# KiCad board C68.kicad_pcb (continued)
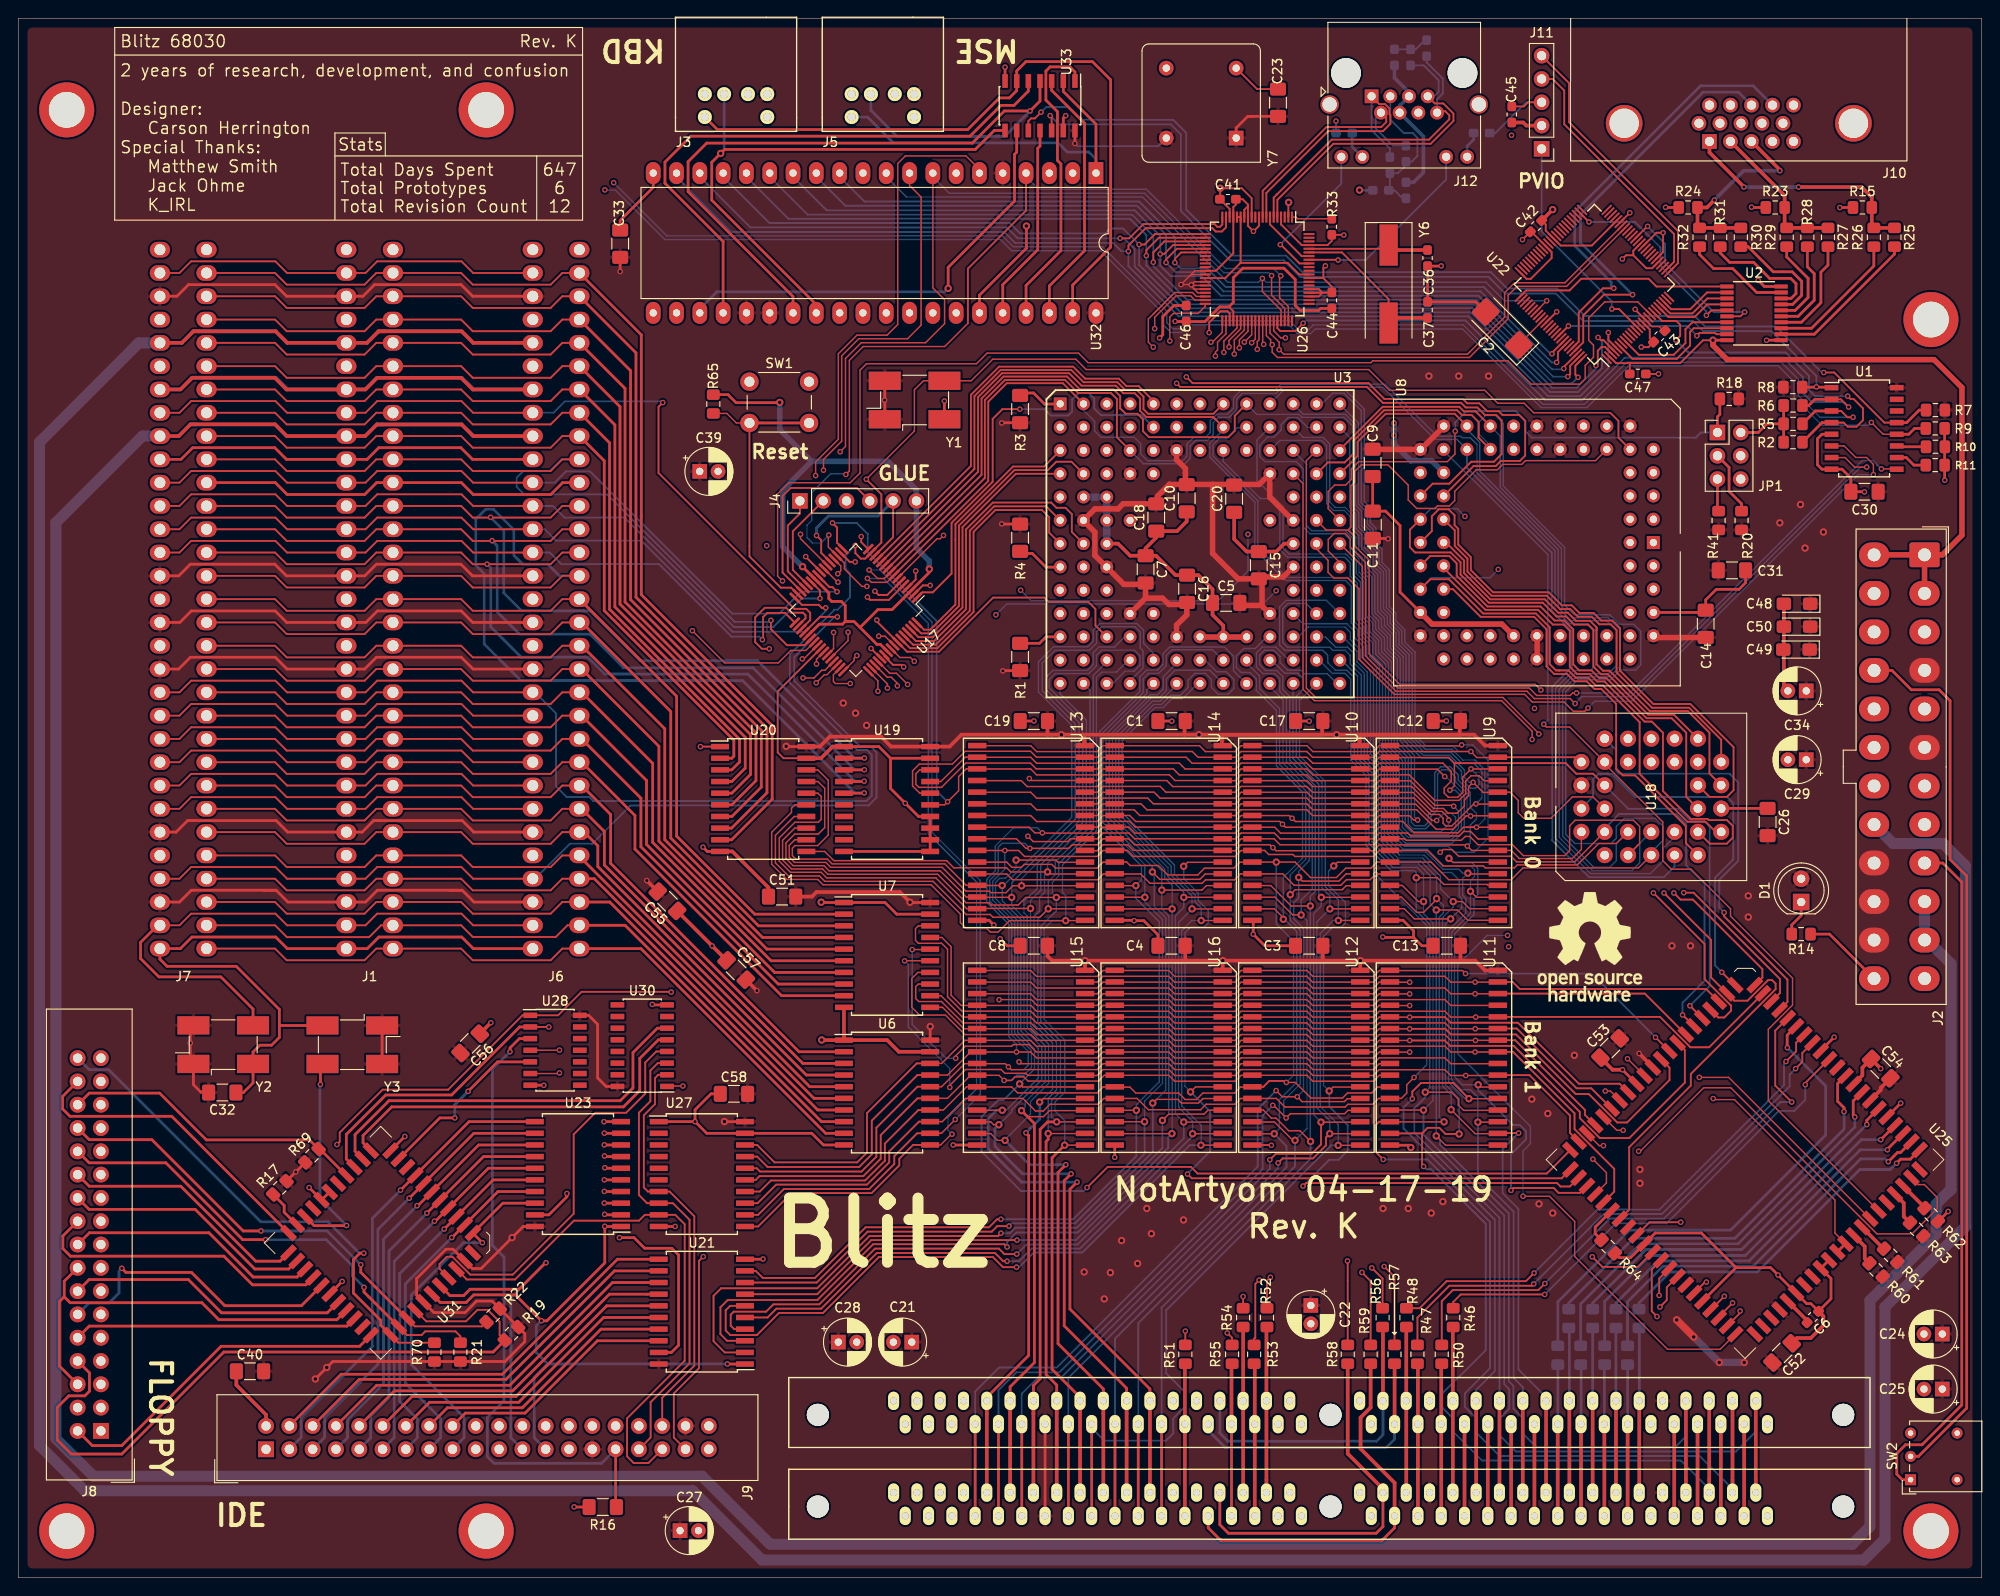
[diagram p0: board, top side]
## Footprints (pads in the part's own frame, mm; a bottom-side part is the same pattern mirrored in y, then rotated) (continued)
PLCC-44
  rect 0.7x1.925 smd: 1(0,7.862) 2(-1.27,7.862) 3(-2.54,7.862) 4(-3.81,7.862) 5(-5.08,7.863) 6(-6.35,7.862) 18(-6.35,-7.862) 19(-5.08,-7.863) 20(-3.81,-7.862) 21(-2.54,-7.862) 22(-1.27,-7.862) 23(0,-7.862) 24(1.27,-7.862) 25(2.54,-7.862) 26(3.81,-7.862) 27(5.08,-7.863) 28(6.35,-7.862) 40(6.35,7.862) 41(5.08,7.863) 42(3.81,7.862) 43(2.54,7.862) 44(1.27,7.862)
  rect 1.925x0.7 smd: 7(-7.862,6.35) 8(-7.863,5.08) 9(-7.862,3.81) 10(-7.862,2.54) 11(-7.862,1.27) 12(-7.862,0) 13(-7.862,-1.27) 14(-7.862,-2.54) 15(-7.862,-3.81) 16(-7.863,-5.08) 17(-7.862,-6.35) 29(7.862,-6.35) 30(7.863,-5.08) 31(7.862,-3.81) 32(7.862,-2.54) 33(7.862,-1.27) 34(7.862,0) 35(7.862,1.27) 36(7.862,2.54) 37(7.862,3.81) 38(7.863,5.08) 39(7.862,6.35)
PLCC-68_THT-Socket
  rect 1.422x1.422 hole 0.8: 1(0,0)
  round 1.422 hole 0.8: 2(0,-2.54) 3(-2.54,0) 4(-2.54,-2.54) 5(-5.08,0) 6(-5.08,-2.54) 7(-7.62,0) 8(-7.62,-2.54) 9(-10.16,0) 10(-12.7,-2.54) 11(-10.16,-2.54) 12(-12.7,-5.08) 13(-10.16,-5.08) 14(-12.7,-7.62) 15(-10.16,-7.62) 16(-12.7,-10.16) 17(-10.16,-10.16) 18(-12.7,-12.7) 19(-10.16,-12.7) 20(-12.7,-15.24) 21(-10.16,-15.24) 22(-12.7,-17.78) 23(-10.16,-17.78) 24(-12.7,-20.32) 25(-10.16,-20.32) 26(-12.7,-22.86) 27(-10.16,-25.4) 28(-10.16,-22.86) 29(-7.62,-25.4) 30(-7.62,-22.86) 31(-5.08,-25.4) 32(-5.08,-22.86) 33(-2.54,-25.4) 34(-2.54,-22.86) 35(0,-25.4) 36(0,-22.86) 37(2.54,-25.4) 38(2.54,-22.86) 39(5.08,-25.4) 40(5.08,-22.86) 41(7.62,-25.4) 42(7.62,-22.86) 43(10.16,-25.4) 44(12.7,-22.86) 45(10.16,-22.86) 46(12.7,-20.32) 47(10.16,-20.32) 48(12.7,-17.78) 49(10.16,-17.78) 50(12.7,-15.24) 51(10.16,-15.24) 52(12.7,-12.7) 53(10.16,-12.7) 54(12.7,-10.16) 55(10.16,-10.16) 56(12.7,-7.62) 57(10.16,-7.62) 58(12.7,-5.08) 59(10.16,-5.08) 60(12.7,-2.54) 61(10.16,0) 62(10.16,-2.54) 63(7.62,0) 64(7.62,-2.54) 65(5.08,0) 66(5.08,-2.54) 67(2.54,0) 68(2.54,-2.54)
PLCC-84
  rect 0.7x1.925 smd: 1(0,14.213) 2(-1.27,14.213) 3(-2.54,14.213) 4(-3.81,14.213) 5(-5.08,14.213) 6(-6.35,14.213) 7(-7.62,14.213) 8(-8.89,14.213) 9(-10.16,14.213) 10(-11.43,14.213) 11(-12.7,14.213) 33(-12.7,-14.213) 34(-11.43,-14.213) 35(-10.16,-14.213) 36(-8.89,-14.213) 37(-7.62,-14.213) 38(-6.35,-14.213) 39(-5.08,-14.213) 40(-3.81,-14.213) 41(-2.54,-14.213) 42(-1.27,-14.213) 43(0,-14.213) 44(1.27,-14.213) 45(2.54,-14.213) 46(3.81,-14.213) 47(5.08,-14.213) 48(6.35,-14.213) 49(7.62,-14.213) 50(8.89,-14.213) 51(10.16,-14.213) 52(11.43,-14.213) 53(12.7,-14.213) 75(12.7,14.213) 76(11.43,14.213) 77(10.16,14.213) 78(8.89,14.213) 79(7.62,14.213) 80(6.35,14.213) 81(5.08,14.213) 82(3.81,14.213) 83(2.54,14.213) 84(1.27,14.213)
  rect 1.925x0.7 smd: 12(-14.213,12.7) 13(-14.213,11.43) 14(-14.213,10.16) 15(-14.213,8.89) 16(-14.213,7.62) 17(-14.213,6.35) 18(-14.213,5.08) 19(-14.213,3.81) 20(-14.213,2.54) 21(-14.213,1.27) 22(-14.213,0) 23(-14.213,-1.27) 24(-14.213,-2.54) 25(-14.213,-3.81) 26(-14.213,-5.08) 27(-14.213,-6.35) 28(-14.213,-7.62) 29(-14.213,-8.89) 30(-14.213,-10.16) 31(-14.213,-11.43) 32(-14.213,-12.7) 54(14.213,-12.7) 55(14.213,-11.43) 56(14.213,-10.16) 57(14.213,-8.89) 58(14.213,-7.62) 59(14.213,-6.35) 60(14.213,-5.08) 61(14.213,-3.81) 62(14.213,-2.54) 63(14.213,-1.27) 64(14.213,0) 65(14.213,1.27) 66(14.213,2.54) 67(14.213,3.81) 68(14.213,5.08) 69(14.213,6.35) 70(14.213,7.62) 71(14.213,8.89) 72(14.213,10.16) 73(14.213,11.43) 74(14.213,12.7)
PS2
  round 1.524 hole 0.9: 1(-1.3,0) 2(1.3,0) 3(-3.4,0) 4(3.4,0) 5(-3.4,-2.5) 6(3.4,-2.5)
R_0603_1608Metric_Pad1.05x0.95mm_HandSolder
  rrect 1.05x0.95 smd: 1(-0.875,0) 2(0.875,0)
R_0805_2012Metric_Pad1.15x1.40mm_HandSolder
  rrect 1.15x1.4 smd: 1(-1.025,0) 2(1.025,0)
R_1206_3216Metric_Pad1.42x1.75mm_HandSolder
  rrect 1.425x1.75 smd: 1(-1.488,0) 2(1.488,0)
RJ45_Amphenol_RJHSE538X
  round 3.25 hole 3.25 unplated: (-2.79,2.54) (9.91,2.54)
  rect 1.5x1.5 hole 0.89: 1(0,0)
  round 1.5 hole 0.89: 2(1.02,-1.78) 3(2.04,0) 4(3.06,-1.78) 5(4.08,0) 6(5.1,-1.78) 7(6.12,0) 8(7.14,-1.78) 9(-3.3,-6.6) 10(-1.01,-6.6) 11(8.13,-6.6) 12(10.42,-6.6)
  round 2 hole 1.57: SH(-4.57,-0.89) SH(11.69,-0.89)
SIMM_72
  round 2.41 hole 2.41 unplated: (-55.753,0) (0.127,0) (56.007,0)
  oval 1.2x2 hole 0.762: 1(47.752,-1.016) 2(46.482,1.524) 3(45.212,-1.016) 4(43.942,1.524) 5(42.672,-1.016) 6(41.402,1.524) 7(40.132,-1.016) 8(38.862,1.524) 9(37.592,-1.016) 10(36.322,1.524) 11(35.052,-1.016) 12(33.782,1.524) 13(32.512,-1.016) 14(31.242,1.524) 15(29.972,-1.016) 16(28.702,1.524) 17(27.432,-1.016) 18(26.162,1.524) 19(24.892,-1.016) 20(23.622,1.524) 21(22.352,-1.016) 22(21.082,1.524) 23(19.812,-1.016) 24(18.542,1.524) 25(17.272,-1.016) 26(16.002,1.524) 27(14.732,-1.016) 28(13.462,1.524) 29(12.192,-1.016) 30(10.922,1.524) 31(9.652,-1.016) 32(8.382,1.524) 33(7.112,-1.016) 34(5.842,1.524) 35(4.572,-1.016) 36(3.302,1.524) 37(-3.048,-1.016) 38(-4.318,1.524) 39(-5.588,-1.016) 40(-6.858,1.524) 41(-8.128,-1.016) 42(-9.398,1.524) 43(-10.668,-1.016) 44(-11.938,1.524) 45(-13.208,-1.016) 46(-14.478,1.524) 47(-15.748,-1.016) 48(-17.018,1.524) 49(-18.288,-1.016) 50(-19.558,1.524) 51(-20.828,-1.016) 52(-22.098,1.524) 53(-23.368,-1.016) 54(-24.638,1.524) 55(-25.908,-1.016) 56(-27.178,1.524) 57(-28.448,-1.016) 58(-29.718,1.524) 59(-30.988,-1.016) 60(-32.258,1.524) 61(-33.528,-1.016) 62(-34.798,1.524) 63(-36.068,-1.016) 64(-37.338,1.524) 65(-38.608,-1.016) 66(-39.878,1.524) 67(-41.148,-1.016) 68(-42.418,1.524) 69(-43.688,-1.016) 70(-44.958,1.524) 71(-46.228,-1.016) 72(-47.498,1.524)
SOIC-14_3.9x8.7mm_P1.27mm
  rect 1.5x0.6 smd: 1(-2.7,3.81) 2(-2.7,2.54) 3(-2.7,1.27) 4(-2.7,0) 5(-2.7,-1.27) 6(-2.7,-2.54) 7(-2.7,-3.81) 8(2.7,-3.81) 9(2.7,-2.54) 10(2.7,-1.27) 11(2.7,0) 12(2.7,1.27) 13(2.7,2.54) 14(2.7,3.81)
SOIC-16_3.9x9.9mm_P1.27mm
  rect 1.5x0.6 smd: 1(-2.7,4.445) 2(-2.7,3.175) 3(-2.7,1.905) 4(-2.7,0.635) 5(-2.7,-0.635) 6(-2.7,-1.905) 7(-2.7,-3.175) 8(-2.7,-4.445) 9(2.7,-4.445) 10(2.7,-3.175) 11(2.7,-1.905) 12(2.7,-0.635) 13(2.7,0.635) 14(2.7,1.905) 15(2.7,3.175) 16(2.7,4.445)
SOIC-16W_5.3x10.2mm_P1.27mm
  rect 1.5x0.6 smd: 1(-3.55,4.445) 2(-3.55,3.175) 3(-3.55,1.905) 4(-3.55,0.635) 5(-3.55,-0.635) 6(-3.55,-1.905) 7(-3.55,-3.175) 8(-3.55,-4.445) 9(3.55,-4.445) 10(3.55,-3.175) 11(3.55,-1.905) 12(3.55,-0.635) 13(3.55,0.635) 14(3.55,1.905) 15(3.55,3.175) 16(3.55,4.445)
SOIC-20W_7.5x12.8mm_P1.27mm
  rect 1.95x0.6 smd: 1(-4.7,5.715) 2(-4.7,4.445) 3(-4.7,3.175) 4(-4.7,1.905) 5(-4.7,0.635) 6(-4.7,-0.635) 7(-4.7,-1.905) 8(-4.7,-3.175) 9(-4.7,-4.445) 10(-4.7,-5.715) 11(4.7,-5.715) 12(4.7,-4.445) 13(4.7,-3.175) 14(4.7,-1.905) 15(4.7,-0.635) 16(4.7,0.635) 17(4.7,1.905) 18(4.7,3.175) 19(4.7,4.445) 20(4.7,5.715)
SOIC-32
  rect 0.6x2 smd: 1(-9.525,-5.88) 2(-8.255,-5.88) 3(-6.985,-5.88) 4(-5.715,-5.88) 5(-4.445,-5.88) 6(-3.175,-5.88) 7(-1.905,-5.88) 8(-0.635,-5.88) 9(0.635,-5.88) 10(1.905,-5.88) 11(3.175,-5.88) 12(4.445,-5.88) 13(5.715,-5.88) 14(6.985,-5.88) 15(8.255,-5.88) 16(9.525,-5.88) 17(9.525,5.88) 18(8.255,5.88) 19(6.985,5.88) 20(5.715,5.88) 21(4.445,5.88) 22(3.175,5.88) 23(1.905,5.88) 24(0.635,5.88) 25(-0.635,5.88) 26(-1.905,5.88) 27(-3.175,5.88) 28(-4.445,5.88) 29(-5.715,5.88) 30(-6.985,5.88) 31(-8.255,5.88) 32(-9.525,5.88)
SW_Lever_1P2T_NKK_GW12LxH
  round 1.2 hole 0.6: (0,-5.08) (5.08,-5.08) 2(2.54,0) 3(5.08,0)
  rect 1.2x1.2 hole 0.6: 1(0,0)
SW_PUSH_6mm
  round 2 hole 1.1: 1(0,0) 1(6.5,0) 2(0,-4.5) 2(6.5,-4.5)
TQFP-64_10x10mm_P0.5mm
  rrect 1.475x0.3 smd: 1(-5.662,3.75) 2(-5.662,3.25) 3(-5.662,2.75) 4(-5.662,2.25) 5(-5.662,1.75) 6(-5.662,1.25) 7(-5.662,0.75) 8(-5.662,0.25) 9(-5.662,-0.25) 10(-5.662,-0.75) 11(-5.662,-1.25) 12(-5.662,-1.75) 13(-5.662,-2.25) 14(-5.662,-2.75) 15(-5.662,-3.25) 16(-5.662,-3.75) 33(5.662,-3.75) 34(5.662,-3.25) 35(5.662,-2.75) 36(5.662,-2.25) 37(5.662,-1.75) 38(5.662,-1.25) 39(5.662,-0.75) 40(5.662,-0.25) 41(5.662,0.25) 42(5.662,0.75) 43(5.662,1.25) 44(5.662,1.75) 45(5.662,2.25) 46(5.662,2.75) 47(5.662,3.25) 48(5.662,3.75)
  rrect 0.3x1.475 smd: 17(-3.75,-5.662) 18(-3.25,-5.662) 19(-2.75,-5.662) 20(-2.25,-5.662) 21(-1.75,-5.662) 22(-1.25,-5.662) 23(-0.75,-5.662) 24(-0.25,-5.662) 25(0.25,-5.662) 26(0.75,-5.662) 27(1.25,-5.662) 28(1.75,-5.662) 29(2.25,-5.662) 30(2.75,-5.662) 31(3.25,-5.662) 32(3.75,-5.662) 49(3.75,5.662) 50(3.25,5.662) 51(2.75,5.662) 52(2.25,5.662) 53(1.75,5.662) 54(1.25,5.662) 55(0.75,5.662) 56(0.25,5.662) 57(-0.25,5.662) 58(-0.75,5.662) 59(-1.25,5.662) 60(-1.75,5.662) 61(-2.25,5.662) 62(-2.75,5.662) 63(-3.25,5.662) 64(-3.75,5.662)
TQFP-100_12x12mm_P0.4mm
  rect 1.5x0.2 smd: 1(-6.7,4.8) 2(-6.7,4.4) 3(-6.7,4) 4(-6.7,3.6) 5(-6.7,3.2) 6(-6.7,2.8) 7(-6.7,2.4) 8(-6.7,2) 9(-6.7,1.6) 10(-6.7,1.2) 11(-6.7,0.8) 12(-6.7,0.4) 13(-6.7,0) 14(-6.7,-0.4) 15(-6.7,-0.8) 16(-6.7,-1.2) 17(-6.7,-1.6) 18(-6.7,-2) 19(-6.7,-2.4) 20(-6.7,-2.8) 21(-6.7,-3.2) 22(-6.7,-3.6) 23(-6.7,-4) 24(-6.7,-4.4) 25(-6.7,-4.8) 51(6.7,-4.8) 52(6.7,-4.4) 53(6.7,-4) 54(6.7,-3.6) 55(6.7,-3.2) 56(6.7,-2.8) 57(6.7,-2.4) 58(6.7,-2) 59(6.7,-1.6) 60(6.7,-1.2) 61(6.7,-0.8) 62(6.7,-0.4) 63(6.7,0) 64(6.7,0.4) 65(6.7,0.8) 66(6.7,1.2) 67(6.7,1.6) 68(6.7,2) 69(6.7,2.4) 70(6.7,2.8) 71(6.7,3.2) 72(6.7,3.6) 73(6.7,4) 74(6.7,4.4) 75(6.7,4.8)
  rect 0.2x1.5 smd: 26(-4.8,-6.7) 27(-4.4,-6.7) 28(-4,-6.7) 29(-3.6,-6.7) 30(-3.2,-6.7) 31(-2.8,-6.7) 32(-2.4,-6.7) 33(-2,-6.7) 34(-1.6,-6.7) 35(-1.2,-6.7) 36(-0.8,-6.7) 37(-0.4,-6.7) 38(0,-6.7) 39(0.4,-6.7) 40(0.8,-6.7) 41(1.2,-6.7) 42(1.6,-6.7) 43(2,-6.7) 44(2.4,-6.7) 45(2.8,-6.7) 46(3.2,-6.7) 47(3.6,-6.7) 48(4,-6.7) 49(4.4,-6.7) 50(4.8,-6.7) 76(4.8,6.7) 77(4.4,6.7) 78(4,6.7) 79(3.6,6.7) 80(3.2,6.7) 81(2.8,6.7) 82(2.4,6.7) 83(2,6.7) 84(1.6,6.7) 85(1.2,6.7) 86(0.8,6.7) 87(0.4,6.7) 88(0,6.7) 89(-0.4,6.7) 90(-0.8,6.7) 91(-1.2,6.7) 92(-1.6,6.7) 93(-2,6.7) 94(-2.4,6.7) 95(-2.8,6.7) 96(-3.2,6.7) 97(-3.6,6.7) 98(-4,6.7) 99(-4.4,6.7) 100(-4.8,6.7)
TSSOP-20_4.4x6.5mm_P0.65mm
  rect 1.45x0.45 smd: 1(-2.95,2.925) 2(-2.95,2.275) 3(-2.95,1.625) 4(-2.95,0.975) 5(-2.95,0.325) 6(-2.95,-0.325) 7(-2.95,-0.975) 8(-2.95,-1.625) 9(-2.95,-2.275) 10(-2.95,-2.925) 11(2.95,-2.925) 12(2.95,-2.275) 13(2.95,-1.625) 14(2.95,-0.975) 15(2.95,-0.325) 16(2.95,0.325) 17(2.95,0.975) 18(2.95,1.625) 19(2.95,2.275) 20(2.95,2.925)

## Nets
+3V3: C41.2 C42.2 C43.2 C44.2 C45.2 C46.2 C47.2 J2.1 J2.2 J2.12 J2.13 J4.6 J11.2 L1.2 R65.1 U2.20 U17.3 U17.26 U17.37 U17.55 U22.2 U22.16 U22.30 U22.37 U22.46 U22.62 U22.86 U26.2 U26.12 U26.18 U26.44
+5V: C1.2 C3.2 C4.2 C5.2 C7.2 C8.2 C9.2 C10.2 C11.2 C12.2 C13.2 C14.2 C15.2 C16.2 C17.2 C18.2 C19.2 C20.2 C21.1 C22.1 C23.2 C24.1 C25.1 C26.2 C27.1 C28.1 C29.1 C30.2 C31.2 C32.2 C33.2 C34.1 C39.1 C40.2 C48.1 C49.1 C50.1 C51.2 C52.2 C53.2 C54.2 C55.2 C56.2 C57.2 C58.2 D1.2 J1.B3 J1.B15 J1.B17 J1.B19 J1.B26 J1.B29 J2.4 J2.6 J2.21 J2.22 J2.23 J3.4 J5.4 J6.B3 J6.B15 J6.B17 J6.B19 J6.B26 J6.B29 J7.B3 J7.B15 J7.B17 J7.B19 J7.B26 J7.B29 J9.29 J9.38 R1.1 R3.1 R4.1 R7.1 R8.1 R17.2 R18.1 R19.2 R20.1 R21.2 R22.2 R41.1 R60.1 R61.1 R63.1 R69.2 R70.2 U1.16 U3.C6 U3.D4 U3.D10 U3.F2 U3.F11 U3.H3 U3.H11 U3.K4 U3.K10 U3.L6 U5.10 U5.30 U5.59 U6.20 U7.20 U8.10 U8.16 U8.17 U8.18 U8.26 U8.27 U8.43 U8.52 U8.53 U8.61 U9.32 U10.32 U11.32 U12.32 U13.32 U14.32 U15.32 U16.32 U18.32 U19.20 U20.20 U21.20 U23.20 U24.10 U24.30 U24.59 U25.1 U25.22 U25.40 U25.47 U25.57 U25.61 U25.81 U27.20 U28.14 U30.16 U31.5 U31.44 U32.5 U32.25 U32.26 U32.40 U33.14 Y1.1 Y1.4 Y2.1 Y2.4 Y3.1 Y3.4 Y7.1 Y7.8
+12V: J1.B9 J2.10 J2.11 J6.B9 J7.B9
-5V: J1.B5 J2.20 J6.B5 J7.B5
-12V: J1.B7 J2.14 J6.B7 J7.B7
GND: C1.1 C2.2 C3.1 C4.1 C5.1 C6.1 C7.1 C8.1 C9.1 C10.1 C11.1 C12.1 C13.1 C14.1 C15.1 C16.1 C17.1 C18.1 C19.1 C20.1 C21.2 C22.2 C23.1 C24.2 C25.2 C26.1 C27.2 C28.2 C29.2 C30.1 C31.1 C32.1 C33.1 C34.2 C35.2 C36.2 C37.2 C38.2 C39.2 C40.1 C41.1 C42.1 C43.1 C44.1 C45.1 C46.1 C47.1 C48.2 C49.2 C50.2 C51.1 C52.1 C53.1 C54.1 C55.1 C56.1 C57.1 C58.1 H1.1 H2.1 H3.1 H4.1 H5.1 H6.1 J1.A11 J1.B1 J1.B10 J1.B31 J2.3 J2.5 J2.7 J2.15 J2.17 J2.18 J2.19 J2.24 J3.3 J4.5 J5.3 J6.A11 J6.B1 J6.B10 J6.B31 J7.A11 J7.B1 J7.B10 J7.B31 J8.1 J8.3 J8.5 J8.7 J8.9 J8.11 J8.13 J8.15 J8.17 J8.19 J8.21 J8.23 J8.25 J8.27 J8.29 J8.31 J8.33 J9.2 J9.19 J9.22 J9.24 J9.26 J9.28 J9.30 J9.40 J10.0 J10.5 J10.6 J10.7 J10.8 J10.10 J11.3 J12.4 J12.5 JP1.2 JP1.4 JP1.6 R2.1 R5.1 R6.1 R9.1 R10.1 R11.1 R14.1 R15.2 R16.1 R23.2 R24.2 R33.1 R34.1 R35.1 R62.1 R64.1 SW1.1 SW2.3 U1.5 U1.8 U2.1 U2.10 U3.C5 U3.C7 U3.C9 U3.E2 U3.E3 U3.E11 U3.F3 U3.G3 U3.G11 U3.J3 U3.J11 U3.L5 U3.L7 U3.L8 U3.L9 U5.1 U5.39 U5.72 U6.1 U6.10 U6.19 U7.1 U7.10 U7.19 U8.5 U8.6 U8.7 U8.8 U8.9 U8.12 U8.14 U8.19 U8.30 U8.41 U8.51 U8.63 U9.16 U10.16 U11.16 U12.16 U13.16 U14.16 U15.16 U16.16 U17.14 U17.21 U17.41 U17.54 U18.16 U19.1 U19.10 U19.11 U19.12 U19.13 U19.14 U19.19 U20.10 U20.19 U21.10 U22.15 U22.31 U22.36 U22.45 U22.65 U22.75 U23.10 U24.1 U24.39 U24.72 U25.3 U25.24 U25.42 U25.49 U25.59 U25.62 U25.63 U25.79 U25.83 U26.4 U26.10 U26.13 U26.14 U26.17 U26.31 U26.32 U26.34 U26.35 U26.36 U26.37 U26.43 U26.63 U26.64 U26.65 U26.68 U26.77 U27.1 U27.10 U27.19 U28.7 U30.8 U31.17 U31.23 U31.24 U31.34 U32.7 U32.20 U33.7 Y1.2 Y2.2 Y3.2 Y7.4
!READ: J9.25 U17.56 U18.24 U21.1 U23.1 U26.58 U31.1 U32.8
/A0: U3.A2 U6.11 U17.8 U18.12 U22.44 U26.54 U27.11 U32.9
/A1: U3.C4 U6.12 U8.25 U17.9 U18.11 U22.43 U26.53 U27.12
/A2: U3.D13 U6.13 U8.24 U9.12 U10.12 U11.12 U12.12 U13.12 U14.12 U15.12 U16.12 U18.10 U25.9 U26.52 U27.13
/A3: U3.D12 U6.14 U8.23 U9.11 U10.11 U11.11 U12.11 U13.11 U14.11 U15.11 U16.11 U18.9 U25.11 U26.51 U27.14
/A4: U3.C13 U6.15 U8.22 U9.10 U10.10 U11.10 U12.10 U13.10 U14.10 U15.10 U16.10 U18.8 U25.13 U25.39 U26.50 U27.15
/A5: U3.C12 U6.16 U9.9 U10.9 U11.9 U12.9 U13.9 U14.9 U15.9 U16.9 U18.7 U25.15 U26.49 U27.16
/A6: U3.D11 U6.17 U9.8 U10.8 U11.8 U12.8 U13.8 U14.8 U15.8 U16.8 U18.6 U25.17 U26.48 U27.17
/A7: U3.B13 U6.18 U9.7 U10.7 U11.7 U12.7 U13.7 U14.7 U15.7 U16.7 U18.5 U25.19 U26.47 U27.18
/A8: U3.B12 U7.11 U9.6 U10.6 U11.6 U12.6 U13.6 U14.6 U15.6 U16.6 U18.27 U25.21 U26.46
/A9: U3.C11 U7.12 U9.5 U10.5 U11.5 U12.5 U13.5 U14.5 U15.5 U16.5 U18.26 U25.25 U26.45
/A10: U3.A13 U7.13 U9.27 U10.27 U11.27 U12.27 U13.27 U14.27 U15.27 U16.27 U18.23 U25.27 U26.42
/A11: U3.C10 U7.14 U9.26 U10.26 U11.26 U12.26 U13.26 U14.26 U15.26 U16.26 U18.25 U25.29 U26.41
/A12: U3.B11 U7.15 U9.23 U10.23 U11.23 U12.23 U13.23 U14.23 U15.23 U16.23 U18.4 U25.31 U26.40
/A13: U3.A12 U7.16 U9.25 U10.25 U11.25 U12.25 U13.25 U14.25 U15.25 U16.25 U18.28 U25.37 U26.39
/A14: U3.B10 U7.17 U9.4 U10.4 U11.4 U12.4 U13.4 U14.4 U15.4 U16.4 U18.29 U25.8 U26.38
/A15: U3.A11 U7.18 U9.28 U10.28 U11.28 U12.28 U13.28 U14.28 U15.28 U16.28 U18.3 U25.10
/A16: U3.B9 U9.3 U10.3 U11.3 U12.3 U13.3 U14.3 U15.3 U16.3 U17.17 U18.2 U19.15 U25.12
/A17: U3.A10 U9.31 U10.31 U11.31 U12.31 U13.31 U14.31 U15.31 U16.31 U18.30 U19.16 U25.14
/A18: U3.C8 U9.2 U10.2 U11.2 U12.2 U13.2 U14.2 U15.2 U16.2 U18.1 U19.17 U25.16
/A19: U3.A9 U9.30 U10.30 U11.30 U12.30 U13.30 U14.30 U15.30 U16.30 U17.10 U19.18 U25.18
/A20: U3.B8 U9.1 U10.1 U11.1 U12.1 U13.1 U14.1 U15.1 U16.1 U17.11 U25.20
/A21: U3.A8 U17.12 U25.23
/A22: U3.B7 U25.26
/A23: U3.A7 U25.28
/A24: U3.A6 U25.30
/A25: U3.B6 U25.36
/A26: U3.A5 U17.13
/A27: U3.B5 U17.1
/B0: R30.2 U2.7
/B1: R31.2 U2.8
/B2: R32.2 U2.9
/CAS0: R52.1 U5.40 U24.40
/CAS1: R53.1 U5.41 U24.41
/CAS2: R54.1 U5.42 U24.42
/CAS3: R55.1 U5.43 U24.43
/D0: U3.K13 U5.2 U8.3 U9.13 U11.13 U24.2
/D1: U3.K12 U5.4 U8.2 U9.14 U11.14 U24.4
/D2: U3.L13 U5.6 U8.1 U9.15 U11.15 U24.6
/D3: U3.M13 U5.8 U8.68 U9.17 U11.17 U24.8
/D4: U3.L12 U5.20 U8.67 U9.18 U11.18 U24.20
/D5: U3.K11 U5.22 U8.66 U9.19 U11.19 U24.22
/D6: U3.M12 U5.24 U8.65 U9.20 U11.20 U24.24
/D7: U3.L11 U5.26 U8.64 U9.21 U11.21 U24.26
/D8: U3.N13 U5.49 U8.62 U10.13 U12.13 U24.49
/D9: U3.M11 U5.51 U8.60 U10.14 U12.14 U24.51
/D10: U3.L10 U5.53 U8.59 U10.15 U12.15 U24.53
/D11: U3.N12 U5.55 U8.58 U10.17 U12.17 U24.55
/D12: U3.M10 U5.57 U8.57 U10.18 U12.18 U24.57
/D13: U3.N11 U5.61 U8.56 U10.19 U12.19 U24.61
/D14: U3.M9 U5.63 U8.55 U10.20 U12.20 U24.63
/D15: U3.N10 U5.65 U8.54 U10.21 U12.21 U24.65
/D16: U3.N9 U5.3 U8.50 U14.13 U16.13 U21.9 U24.3
/D17: U3.M8 U5.5 U8.49 U14.14 U16.14 U21.8 U24.5
/D18: U3.N8 U5.7 U8.48 U14.15 U16.15 U21.7 U24.7
/D19: U3.N7 U5.9 U8.47 U14.17 U16.17 U21.6 U24.9
/D20: U3.M7 U5.21 U8.46 U14.18 U16.18 U21.5 U24.21
/D21: U3.N6 U5.23 U8.45 U14.19 U16.19 U21.4 U24.23
/D22: U3.M6 U5.25 U8.44 U14.20 U16.20 U21.3 U24.25
/D23: U3.N5 U5.27 U8.42 U14.21 U16.21 U21.2 U24.27
/D24: U3.M5 U5.50 U8.40 U13.13 U15.13 U18.13 U20.18 U22.93 U23.2 U24.50 U26.26 U32.12
/D25: U3.N4 U5.52 U8.39 U13.14 U15.14 U18.14 U20.17 U22.94 U23.3 U24.52 U26.25 U32.13
/D26: U3.N3 U5.54 U8.38 U13.15 U15.15 U18.15 U20.16 U22.98 U23.4 U24.54 U26.24 U32.14
/D27: U3.M4 U5.56 U8.37 U13.17 U15.17 U18.17 U20.15 U22.99 U23.5 U24.56 U26.23 U32.15
/D28: U3.N2 U5.58 U8.36 U13.18 U15.18 U18.18 U20.14 U22.100 U23.6 U24.58 U26.22 U32.16
/D29: U3.M3 U5.60 U8.35 U13.19 U15.19 U18.19 U20.13 U22.3 U23.7 U24.60 U26.21 U32.17
/D30: U3.L4 U5.62 U8.34 U13.20 U15.20 U18.20 U20.12 U22.4 U23.8 U24.62 U26.20 U32.18
/D31: U3.N1 U5.64 U8.33 U13.21 U15.21 U18.21 U20.11 U22.5 U23.9 U24.64 U26.19 U32.19
/G0: R27.2 U2.4
/G1: R28.2 U2.5
/G2: R29.2 U2.6
/IA0: J1.A31 J6.A31 J7.A31 U6.9
/IA1: J1.A30 J6.A30 J7.A30 U6.8
/IA2: J1.A29 J6.A29 J7.A29 U6.7
/IA3: J1.A28 J6.A28 J7.A28 U6.6
/IA4: J1.A27 J6.A27 J7.A27 U6.5
/IA5: J1.A26 J6.A26 J7.A26 U6.4
/IA6: J1.A25 J6.A25 J7.A25 U6.3
/IA7: J1.A24 J6.A24 J7.A24 U6.2
/IA8: J1.A23 J6.A23 J7.A23 U7.9
/IA9: J1.A22 J6.A22 J7.A22 U7.8
/IA10: J1.A21 J6.A21 J7.A21 U7.7
/IA11: J1.A20 J6.A20 J7.A20 U7.6
/IA12: J1.A19 J6.A19 J7.A19 U7.5
/IA13: J1.A18 J6.A18 J7.A18 U7.4
/IA14: J1.A17 J6.A17 J7.A17 U7.3
/IA15: J1.A16 J6.A16 J7.A16 U7.2
/IA16: J1.A15 J6.A15 J7.A15 U19.5
/IA17: J1.A14 J6.A14 J7.A14 U19.4
/IA18: J1.A13 J6.A13 J7.A13 U19.3
/IA19: J1.A12 J6.A12 J7.A12 U19.2
/ID0: J1.A9 J6.A9 J7.A9 U20.2
/ID1: J1.A8 J6.A8 J7.A8 U20.3
/ID2: J1.A7 J6.A7 J7.A7 U20.4
/ID3: J1.A6 J6.A6 J7.A6 U20.5
/ID4: J1.A5 J6.A5 J7.A5 U20.6
/ID5: J1.A4 J6.A4 J7.A4 U20.7
/ID6: J1.A3 J6.A3 J7.A3 U20.8
/ID7: J1.A2 J6.A2 J7.A2 U20.9
/IOA0: J9.35 U27.9 U31.4
/IOA1: J9.33 U27.8 U30.3
/IOA2: J9.36 U27.7 U30.2
/IOD16: J9.4 U21.11
/IOD17: J9.6 U21.12
/IOD18: J9.8 U21.13
/IOD19: J9.10 U21.14
/IOD20: J9.12 U21.15
/IOD21: J9.14 U21.16
/IOD22: J9.16 U21.17
/IOD23: J9.18 U21.18
/IOD24: J9.17 U23.18 U31.7
/IOD25: J9.15 U23.17 U31.8
/IOD26: J9.13 U23.16 U31.9
/IOD27: J9.11 U23.15 U31.10
/IOD28: J9.9 U23.14 U31.11
/IOD29: J9.7 U23.13 U31.12
/IOD30: J9.5 U23.12 U31.13
/IOD31: J9.3 U23.11 U31.14
/QA0: R12.1 U5.12 U24.12
/QA1: R13.1 U5.13 U24.13
/QA2: R40.1 U5.14 U24.14
/QA3: R42.1 U5.15 U24.15
/QA4: R43.1 U5.16 U24.16
/QA5: R44.1 U5.17 U24.17
/QA6: R45.1 U5.18 U24.18
/QA7: R46.1 U5.28 U24.28
/QA8: R47.1 U5.31 U24.31
/QA9: R48.1 U5.32 U24.32
/QA10: R49.1 U5.19 U24.19
/QA11: R50.1 U5.29 U24.29
/R0: R25.2 U2.2
/R1: R26.2 U2.3
/RAS0: R56.1 U5.34 U5.44
/RAS1: R57.1 U5.33 U5.45
/RAS2: R58.1 U24.34 U24.44
/RAS3: R59.1 U24.33 U24.45
/RXI+: J12.7 R37.2 U26.5
/RXI-: J12.8 R36.1 U26.6
/TXO+: J12.1 R38.2 U26.8
/TXO-: J12.2 R39.1 U26.9
_RW0: U9.24 U10.24 U13.24 U14.24 U17.47
_RW1: U11.24 U12.24 U15.24 U16.24 U17.45
AS: U3.J2 U8.21 U17.2
BYTE0: U9.22 U11.22 U17.52 U25.35
BYTE1: U10.22 U12.22 U17.51 U25.34
BYTE2: U14.22 U16.22 U17.50 U25.33
BYTE3: U13.22 U15.22 U17.49 U25.32
CDIS: U3.H12 U17.23
CLK: J1.B20 J6.B20 J7.B20 U3.E1 U8.11 U17.15 U25.64 U25.65 Y1.3
DRAM_CS: U17.42 U25.53
DRAM_DTACK: U17.34 U25.73
DS: U3.K2 U8.20 U17.4
DSACK0: U3.F1 U8.31 U17.60
DSACK1: U3.G2 U8.32 U17.61
ECS: U3.M2 U17.18
ETHRNT: U17.43 U26.55
FC0: U3.D2 U17.63
FC1: U3.C1 U17.64
FC2: U3.D1 U17.62
FLOPPY: U17.20 U30.1
FPU: U8.29 U17.57
GEN: U2.19 U22.91
HALT: U3.H2 U17.16
I_DIR: U17.24 U20.1
ICSP_RES: J11.1 U22.13
IDE: J9.37 U17.7
IO_CS: U17.39 U21.19 U23.19
IPL0: U1.9 U3.H13
IPL1: U1.7 U3.G13
IPL2: U1.6 U3.G12
IRQ_ETH: R6.2 U1.2 U26.56
IRQ_FLOPPY: R5.2 U1.3 U28.6
IRQ_IDE: R9.2 U1.12 U28.4
IRQ_KBD: R8.2 U1.1 U33.12
IRQ_MSE: R7.2 U1.13 U33.10
IRQ_SYS: R2.2 U1.4 U22.19
ISA_IRQ0: J1.B25 J6.B25 J7.B25
ISA_IRQ1: J1.B24 J6.B24 J7.B24
ISA_IRQ2: J1.B23 J6.B23 J7.B23
ISA_IRQ3: J1.B22 J6.B22 J7.B22
ISA_IRQ4: J1.B21 J6.B21 J7.B21
KBD_CS: U17.22 U32.6
MMUDIS: JP1.1 R18.2 U3.F13
RESET: J9.1 U3.F12 U8.13 U17.19 U25.68 U26.59 U28.1 U32.4
RESET_N: J1.B2 J6.B2 J7.B2 U28.2 U31.20
ROM: U17.44 U18.22
RW0: U9.29 U10.29 U13.29 U14.29 U17.48
RW1: U11.29 U12.29 U15.29 U16.29 U17.46
RW_N: J9.23 U3.L3 U8.28 U17.58 U18.31 U22.82 U25.69 U26.57 U31.2 U32.10
SIZ0: U3.L2 U17.5
SIZ1: U3.K3 U17.6
STERM: U3.G1 U17.59
VGA_CS: U17.40 U22.18
VGA_HSYNC: J10.13 U22.97
VGA_VSYNC: J10.14 U22.96
VGB0: U2.18 U22.6
VGB1: U2.17 U22.8
VGB2: U2.16 U22.39
VGB3: U2.15 U22.52
VGB4: U2.14 U22.21
VGB5: U2.13 U22.22
VGB6: U2.12 U22.23
VGB7: U2.11 U22.76
Net-(C2-Pad1): C2.1 U22.85
Net-(C6-Pad2): C6.2 U25.58
Net-(C35-Pad1): C35.1 R36.2 R37.1
Net-(C36-Pad1): C36.1 U26.76 Y6.1
Net-(C37-Pad1): C37.1 U26.75 Y6.2
Net-(C38-Pad1): C38.1 J12.3 L1.1 R38.1 R39.2
Net-(D1-Pad1): D1.1 R14.2
Net-(J1-PadA10): J1.A10 J6.A10 J7.A10 U17.38
Net-(J1-PadB8): J1.B8 J6.B8 J7.B8 U17.35
Net-(J1-PadB11): J1.B11 J6.B11 J7.B11 U17.25
Net-(J1-PadB12): J1.B12 J6.B12 J7.B12 U17.27
Net-(J1-PadB13): J1.B13 J6.B13 J7.B13 U17.32
Net-(J1-PadB14): J1.B14 J6.B14 J7.B14 U17.33
Net-(J1-PadB28): J1.B28 J6.B28 J7.B28 U17.36
Net-(J1-PadB30): J1.B30 J6.B30 J7.B30 Y2.3
Net-(J2-Pad9): J2.9 SW2.1
Net-(J2-Pad16): J2.16 SW2.2
Net-(J3-Pad1): J3.1 U32.28 U33.8
Net-(J3-Pad5): J3.5 U32.39 U33.6
Net-(J4-Pad1): J4.1 U17.29
Net-(J4-Pad2): J4.2 U17.28
Net-(J4-Pad3): J4.3 U17.53
Net-(J4-Pad4): J4.4 U17.30
Net-(J5-Pad1): J5.1 U32.27 U33.4
Net-(J5-Pad5): J5.5 U32.1 U33.2
Net-(J8-Pad2): J8.2 U31.39
Net-(J8-Pad8): J8.8 R19.1 U31.43
Net-(J8-Pad10): J8.10 U31.37
Net-(J8-Pad12): J8.12 U31.33
Net-(J8-Pad14): J8.14 U31.35
Net-(J8-Pad16): J8.6 J8.16 U31.36
Net-(J8-Pad18): J8.18 U31.31
Net-(J8-Pad20): J8.20 U31.32
Net-(J8-Pad22): J8.22 U31.30
Net-(J8-Pad24): J8.24 U31.29
Net-(J8-Pad26): J8.26 R21.1 U31.41
Net-(J8-Pad28): J8.28 R22.1 U31.42
Net-(J8-Pad30): J8.30 R69.1 U31.21
Net-(J8-Pad32): J8.32 U31.28
Net-(J8-Pad34): J8.34 R70.1 U31.40
Net-(J9-Pad31): J9.31 R16.2 U28.3
Net-(J10-Pad1): J10.1 R15.1 R25.1 R26.1
Net-(J10-Pad2): J10.2 R23.1 R27.1 R28.1 R29.1
Net-(J10-Pad3): J10.3 R24.1 R30.1 R31.1 R32.1
Net-(J11-Pad4): J11.4 U22.27
Net-(J11-Pad5): J11.5 U22.26
Net-(J12-Pad9): J12.9 U26.72
Net-(J12-Pad10): J12.10 R35.2
Net-(J12-Pad11): J12.11 U26.73
Net-(J12-Pad12): J12.12 R34.2
Net-(JP1-Pad3): JP1.3 R20.2
Net-(JP1-Pad5): JP1.5 R41.2
Net-(R1-Pad2): R1.2 U3.L1
Net-(R3-Pad2): R3.2 U3.A1
Net-(R4-Pad2): R4.2 U3.H1
Net-(R10-Pad2): R10.2 U1.11
Net-(R11-Pad2): R11.2 U1.10
Net-(R12-Pad2): R12.2 U25.75
Net-(R13-Pad2): R13.2 U25.76
Net-(R17-Pad1): R17.1 U31.27
Net-(R33-Pad2): R33.2 U26.1
Net-(R40-Pad2): R40.2 U25.77
Net-(R42-Pad2): R42.2 U25.78
Net-(R43-Pad2): R43.2 U25.80
Net-(R44-Pad2): R44.2 U25.82
Net-(R45-Pad2): R45.2 U25.84
Net-(R46-Pad2): R46.2 U25.2
Net-(R47-Pad2): R47.2 U25.4
Net-(R48-Pad2): R48.2 U25.5
Net-(R49-Pad2): R49.2 U25.6
Net-(R50-Pad2): R50.2 U25.7
Net-(R51-Pad1): R51.1 U5.47 U24.47
Net-(R51-Pad2): R51.2 U25.41
Net-(R52-Pad2): R52.2 U25.48
Net-(R53-Pad2): R53.2 U25.50
Net-(R54-Pad2): R54.2 U25.51
Net-(R55-Pad2): R55.2 U25.52
Net-(R56-Pad2): R56.2 U25.43
Net-(R57-Pad2): R57.2 U25.44
Net-(R58-Pad2): R58.2 U25.45
Net-(R59-Pad2): R59.2 U25.46
Net-(R60-Pad2): R60.2 U25.66
Net-(R61-Pad2): R61.2 U25.67
Net-(R62-Pad2): R62.2 U25.72
Net-(R63-Pad2): R63.2 U25.71
Net-(R64-Pad2): R64.2 U25.38
Net-(R65-Pad2): R65.2 SW1.2 U17.31
Net-(U26-Pad7): U26.7 U26.74
Net-(U26-Pad15): U26.15 U26.16 U26.33 U26.69
Net-(U28-Pad5): U28.5 U31.16
Net-(U30-Pad4): U30.4 U31.3
Net-(U30-Pad5): U30.5 U31.18
Net-(U30-Pad6): U30.6 U31.19
Net-(U31-Pad26): U31.26 Y3.3
Net-(U32-Pad3): U32.3 Y7.5
Net-(U32-Pad23): U32.23 U33.9
Net-(U32-Pad24): U32.24 U33.5
Net-(U32-Pad35): U32.35 U33.13
Net-(U32-Pad36): U32.36 U33.11
Net-(U32-Pad37): U32.37 U33.1
Net-(U32-Pad38): U32.38 U33.3

Pads without a net: J1 A1 B4 B6 B16 B18 B27; J2 8; J3 2 6; J5 2 6; J6 A1 B4 B6 B16 B18 B27; J7 A1 B4 B6 B16 B18 B27; J8 4; J9 20 21 27 32 34 39; J10 4 9 11 12 15; J12 6 SH; U1 14 15; U3 A3 A4 B1 B2 B3 B4 C2 C3 D3 D5 E12 E13 F4 F10 J1 J12 J13 K1 K5 M1; U5 11 35 36 37 38 46 48 66 67 68 69 70 71; U8 4 15; U19 6 7 8 9; U22 1 7 9 10 11 12 14 17 20 24 25 28 29 32 33 34 35 38 40 41 42 47 48 49 50 51 53 54 55 56 57 58 59 60 61 63 64 66 67 68 69 70 71 72 73 74 77 78 79 80 81 83 84 87 88 89 90 92 95; U24 11 35 36 37 38 46 48 66 67 68 69 70 71; U25 54 55 56 60 70 74; U26 3 11 27 28 29 30 60 61 62 66 67 70 71 78 79 80; U27 2 3 4 5 6; U28 8 9 10 11 12 13; U30 7 9 10 11 12 13 14 15; U31 6 15 22 25 38; U32 2 11 21 22 29 30 31 32 33 34

## Via types
v1: diameter 0.6, hole 0.35, Top to Bottom, 392 vias
v2: diameter 0.8, hole 0.4, Top to Bottom, 135 vias

## Routing (per net, layer and track width the routed paths; a pad name or vN(x,y) marks a point on that pad's centre or on a via; arc(x,y) is an arc through that point)
+3V3: length 420.3
  Top w0.15: 179.39,135.86 178.86,136.39 178.08,136.39 U22.16
  Top w0.2: 127.28,136.96 v1(126.09,136.96) ; U26.18 132.03,149.22 C41.2 131,150.32 131,151.48 v2(131.02,151.48) 133.35,151.48 134.43,150.39 U26.12 ; 131.95,138.55 132.43,138.07 U26.44 ; C42.2 166.49,147.53 166.49,146.86 U22.62 168.11,145.23 171.51,145.23 U22.46 ; v1(174.84,143.77) 175.24,144.17 176.03,144.17 ; v1(176.23,138.27) 176.23,138.25 U22.16 ; 176.03,144.17 176.03,144.67 U22.37 ; 176.03,144.17 177.45,142.76 178.08,142.76 U22.30 ; 184.7,134.9 183.63,134.9 181.14,132.41 175.62,132.41 ; 175.62,132.41 174.15,132.41 U22.2 ; 175.62,132.41 175.64,132.38 C47.2 ; U22.86 166.49,136.82 v1(167.68,138.01) ; v2(138.46,149.94) 138.43,149.91 U26.2
  Top w0.3: U2.20 v2(184.71,134.92) 184.7,134.9 ; 90.13,104.24 90.13,106 89.7,106.43 88.66,106.43 88.34,106.75 88.34,107.36 U17.26 v2(85.48,110.22) ; 90.13,104.24 89.84,103.95 87.3,103.95 86.06,102.71 U17.37 ; 90.13,104.24 91.09,104.24 91.74,103.59 ; 91.74,103.59 93.69,105.54 95.24,105.54 U17.3 99.29,109.59 v2(99.29,109.96) ; 91.74,103.59 93.59,101.74 93.96,101.74 U17.55 ; v2(82.99,128.13) 82.96,128.1 78.23,128.1 77.35,128.97 R65.1 ; v1(126.09,136.96) 126.11,136.94 C46.2 129.34,136.94 130.95,138.55 131.95,138.55 132.43,139.03 132.43,141.72 133.47,142.76 137.95,142.76 139.18,141.53 139.18,138.7 139.73,138.15 141.71,138.15 141.94,138.38 C44.2
  Top w0.4: v2(167.24,149.15) 166.06,147.97 C42.2 ; C45.2 164.03,158.65 164.37,158.31 J11.2
  Top w0.6: J2.13 J2.1 ; J2.1 J2.2 ; J2.1 209.71,111.51 211.85,113.65 211.85,129.75 208.81,132.79 186.27,132.79 184.71,134.35 v2(184.71,134.92)
  In1.Cu w0.6: 121.38,136.96 128.32,143.9 128.32,148.79 131,151.48 136.92,151.48 v2(138.46,149.94) 144.85,149.94 v2(146.19,151.28) 159.7,151.28 ; 121.38,136.96 119.55,135.13 87.32,135.13 82.99,130.8 v2(82.99,128.13) ; 121.38,136.96 v1(126.09,136.96) ; v1(167.68,138.01) 172.62,142.95 172.62,143.77 ; 159.7,151.28 165.11,151.28 v2(167.24,149.15) 172.62,143.77 ; 159.7,151.28 162.76,154.34 v1(162.76,157.25) 163.82,158.31 J11.2 ; 172.62,143.77 v1(174.84,143.77) 177.3,141.31 177.3,139.34 ; v1(176.23,138.27) 177.3,139.34 ; 177.3,139.34 180.26,139.34 184.7,134.9
  In2.Cu w0.8: J2.12 208.07,65.31 211.21,68.44 211.21,104.17 208.07,107.31 J2.2
  Bottom w0.3: v2(146.19,151.28) 146.22,151.25 L1.2
  Bottom w0.6: 86.46,121.7 83.3,118.54 83.3,112.4 v2(85.48,110.22) ; 86.46,121.7 94.78,121.7 97.89,118.59 J4.6 97.89,112.25 99.29,110.85 v2(99.29,109.96) ; 86.46,121.7 82.99,125.17 v2(82.99,128.13)
+5V: length 764.5
  Top w0.3: C33.2 v1(65.6,142.4) ; J1.B29 37.85,73.66 39.13,74.94 47.03,74.94 ; J1.B17 37.88,104.14 39.13,105.39 48.28,105.39 49.53,104.14 J6.B17 ; J1.B15 37.76,109.22 39.03,110.49 48.23,110.49 49.5,109.22 J6.B15 ; J6.B29 49.66,73.66 48.38,74.94 47.03,74.94 ; 47.03,74.94 48.28,74.94 ; J1.B26 37.47,81.28 38.73,82.54 39.53,82.54 ; 39.53,82.54 48.38,82.54 49.64,81.28 J6.B26 ; 39.53,82.54 39.03,82.54 ; J6.B19 49.56,99.06 48.28,100.34 39.03,100.34 37.75,99.06 J1.B19 ; J1.B3 37.56,139.7 38.83,140.97 48.25,140.97 49.52,139.7 J6.B3 ; U20.20 83.72,90.61 v2(83.69,90.64) ; 20.71,52.94 19.89,52.94 19.08,53.75 Y2.1 ; 18.74,60.36 v1(18.74,58.29) 18.74,56.16 ; R4.1 107.22,114.86 v1(107.19,114.89) ; U6.20 v2(99.39,60.09) ; v1(107.31,98.86) 107.34,98.89 R1.1 ; v2(97.19,73.64) 97.22,73.6 U7.20 ; v1(149.3,113.26) 149.26,113.3 C11.2 ; Y1.1 94.44,128.36 v1(94.42,128.38) 94.44,128.4 Y1.4 ; R3.1 107.22,125.92 v1(107.19,125.89) ; 19.25,82.54 18.45,82.54 17.19,81.28 15.47,81.28 ; 19.25,82.54 18.75,82.54 ; 19.25,82.54 28.1,82.54 29.36,81.28 35.79,81.28 ; 26.75,74.94 18.85,74.94 17.57,73.66 15.47,73.66 ; 26.75,74.94 28.1,74.94 29.38,73.66 35.79,73.66 ; 26.75,74.94 28,74.94 ; 35.79,99.06 29.28,99.06 28,100.34 18.75,100.34 17.47,99.06 15.47,99.06 ; 35.79,139.7 29.24,139.7 27.97,140.97 18.55,140.97 17.28,139.7 15.47,139.7 ; 35.79,109.22 29.22,109.22 27.95,110.49 18.75,110.49 17.48,109.22 15.47,109.22 ; 35.79,104.14 29.25,104.14 28,105.39 18.85,105.39 17.6,104.14 15.47,104.14 ; U24.59 U5.59 ; v2(32.37,21.66) v2(33.62,22.91) 34.27,23.56 R70.2 R21.2 53.04,23.56 55.2,25.72 55.2,26.6 R19.2 R22.2 51.65,30.15 49.94,30.15 48.69,28.9 45.3,28.9 U31.44 43.41,30.79 43.41,32.61 46.61,35.81 47.37,35.81 U31.5 49.48,33.7 50.44,33.7 v2(53.81,37.07) 55.03,38.28 U23.20 ; Y3.1 Y3.4 ; 134.64,159.31 134,159.31 132.74,158.05 Y7.1 ; 134.64,159.31 134.06,159.31 ; 134.64,159.31 C23.2 ; U27.20 76.97,49.72 v2(76.96,49.72) ; R17.2 v1(30.24,44.24) R69.2 ; U30.16 64.06,53.56 63.14,54.48 63.14,60.33 62.16,61.31 U28.14 ; v1(115.16,156.36) 115.17,156.37 U33.14
  Top w0.4: 146.27,66.19 146.27,67.26 v2(146.28,67.27) ; 131.21,91.9 v2(128.69,91.9) v2(113.69,91.9) 112.64,91.9 ; 131.21,91.9 v2(143.69,91.9) 157.17,91.9 ; 131.21,91.9 142.18,91.9 ; 157.17,91.9 146.2,91.9 ; 157.17,91.9 158.68,91.9 159.87,90.72 161.35,90.72 ; 146.19,91.89 146.19,90.83 ; 157.11,91.96 157.11,93.52 ; 142.26,67.27 v2(131.29,67.27) ; 142.26,67.27 142.19,67.34 C3.2 ; 142.26,67.27 v2(146.28,67.27) ; v2(131.29,67.27) 131.27,67.25 131.27,66.19 ; v2(131.29,67.27) 127.18,67.27 ; v2(146.28,67.27) 157.25,67.27 ; v2(116.26,67.27) 116.27,67.26 116.27,66.19 ; v2(116.26,67.27) 112.68,67.27 112.18,67.77 C8.2 ; v2(116.26,67.27) 127.18,67.27 ; 131.19,91.88 131.19,90.83 ; 157.25,67.27 158.79,67.27 159.87,66.19 161.27,66.19 ; 157.25,67.27 157.19,67.33 C13.2 ; C4.2 127.19,67.28 127.18,67.27 ; 112.19,91.9 112.18,91.91 C19.2 ; 112.19,91.9 112.64,91.9 ; 112.19,91.9 102.8,91.9 101.5,90.61 U19.20 95.12,90.61 94.04,91.69 88.44,91.69 87.35,90.61 U20.20 ; 112.64,91.9 112.6,91.9 ; 127.11,91.91 127.11,93.52 ; 116.19,91.89 116.19,90.83 ; 142.11,91.97 142.11,93.52 ; C51.2 86.5,74.25 87,74.75 96.08,74.75 v2(97.19,73.64) ; C55.2 v1(68.5,76) ; C54.2 203,53.4 203,53.18 U25.81 ; C57.2 v1(80.5,64) ; v1(176.67,57.15) 178.16,55.66 U25.22
  Top w0.6: 121.16,120.33 121.16,120.08 ; 135.5,105.99 136.4,105.09 ; 135.5,105.99 133.01,105.99 ; 135.5,105.99 135.56,106.05 135.56,109.1 137.87,109.1 138.94,110.17 ; 122.86,106.79 121.16,105.09 ; 122.86,106.79 124.71,106.79 125.4,106.1 127.36,106.1 127.36,104.97 126.24,103.85 126.24,102.55 ; 122.86,106.79 122.86,108.29 120.5,108.29 117.34,111.45 117.34,113.99 116.08,115.25 117.35,116.52 119.87,116.52 120.43,117.08 124.16,117.08 124.16,117.89 125.46,119.19 127.21,119.19 ; C15.2 132.95,108.89 130.17,111.67 130.17,119.19 ; 130.17,119.19 127.21,119.19 ; 130.17,119.19 135.26,119.19 136.4,120.33 136.4,117.79 138.94,115.25 ; 127.21,119.19 127.21,120.91 126.24,121.88 126.24,122.87 ; 165.55,102.66 165.55,100.12 ; 155.39,125.52 152.85,122.98 U8.27 147.87,123.01 ; 178.25,102.66 178.42,102.49 183.32,102.49 ; 152.71,102.52 152.85,102.66
  Top w0.8: J1.B15 35.26,109.22 ; J1.B19 35.15,99.06 ; 35.37,81.28 J1.B26 ; J1.B29 35.3,73.66 ; J1.B17 35.18,104.14 ; 15.47,99.06 14.87,99.06 ; 15.47,73.66 15.02,73.66 ; 15.09,81.28 15.47,81.28 ; 15.47,104.14 14.9,104.14 ; 15.47,109.22 14.98,109.22 ; v2(180.76,28.1) v2(182.62,26.24)
  In1.Cu w0.8: v2(188.56,72.02) 187.68,71.14 184.52,71.14 v2(182.26,68.88) ; v2(188.56,74.33) 185.69,74.33 v2(180.24,68.88)
  In2.Cu w1.2: 156.02,40.25 v2(155.27,41) ; 156.02,40.25 165.25,40.25 ; 156.02,40.25 154.5,40.25 v2(154,39.75) ; 176,43.75 v2(176.75,44.5) ; 176,43.75 v2(176.75,43) ; 176,43.75 155,43.75 153.5,42.25 ; 153.5,42.25 150.75,42.25 v2(148.75,40.25) ; 153.5,42.25 v2(151.5,40.25) ; 165.25,40.25 165.75,39.75 v2(167.25,39.75) ; 165.25,40.25 v2(165.75,40.75)
  Bottom w0.2: v1(115.16,156.36) 115.46,156.06 124.23,156.06 Y7.8
  Bottom w0.8: v2(188.12,23.46) v2(185.4,23.46) v2(182.62,26.24)
  vias: v2(89.91,95.35) v2(91.25,94.25) v2(92.46,92.92) v2(116.17,33.33) v2(118.36,30.39) v2(119.03,33.26) v2(120.25,36.75) v2(122,34.25) v2(123,40.25) v2(123.5,37.5) v2(127,39) v2(153.75,131) v2(157,131) v2(160.25,131) v2(164.97,52.17) v2(166.71,50.6) v2(169.6,56.95) v2(192,115) v2(194.25,117) v2(194.75,112.25) v2(196.75,114)
